# Altium PCB EEGV3.0.PcbDoc (part 1 of 2) (continued)
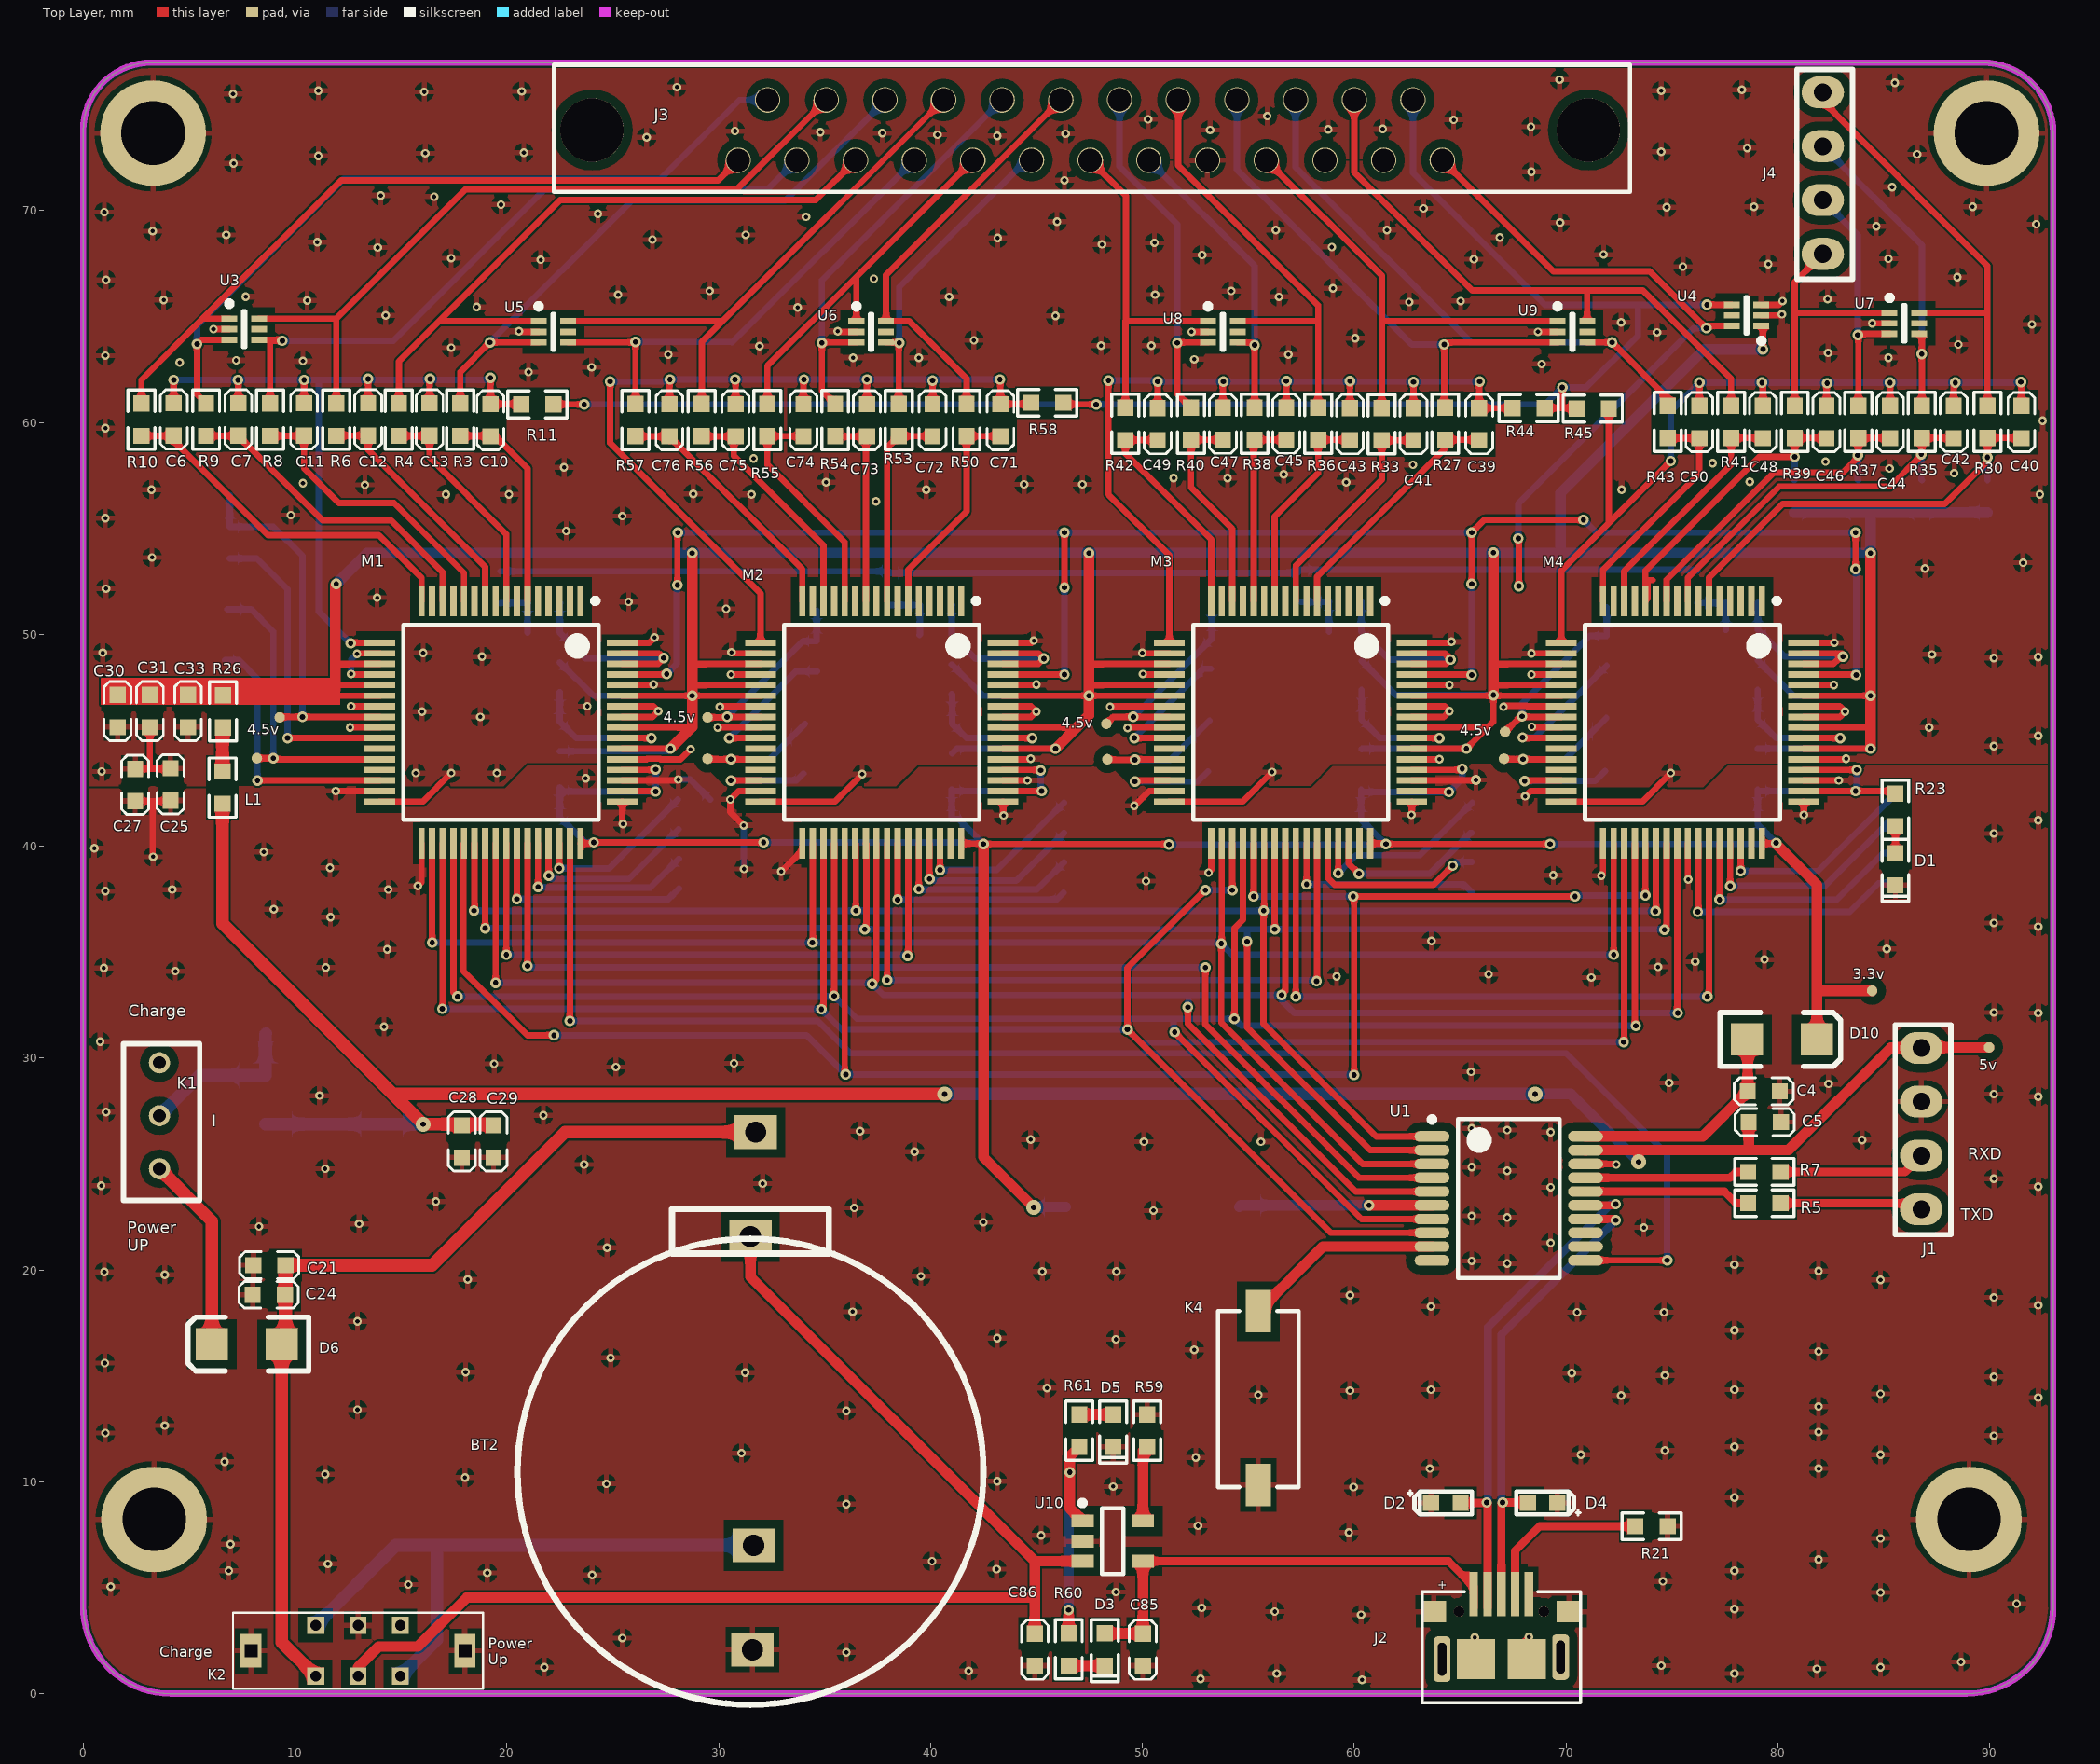
[diagram p0: Top Layer view]
## Components (designator, comment, footprint, x,y, rotation, side; value= is the part's Value field where it differs from the comment) (continued)
C72 "102K10V" C0603 40.1,59.338 r90 top
C73 "102K10V" C0603 37,59.338 r90 top
C74 "102K10V" C0603 34,59.338 r90 top
C75 "102K10V" C0603 30.8,59.338 r90 top
C76 "102K10V" C0603 27.675,59.338 r90 top
C77 "105K16V" C0603 34.65,48.25 r0 bottom
C78 "100Uf" C1210 34.077,45.775 r0 bottom
C79 "105K16V" C0603 34,43.425 r0 bottom
C80 "105K16V" C0603 41,47.175 r180 bottom
C81 "104K50V" C0603 39.5,45.775 r0 bottom
C82 "105K16V" C0603 41,48.575 r180 bottom
C83 "106K50V" C0603 34.625,51.125 r0 bottom
C84 "104K50V" C0603 34.626,49.675 r0 bottom
C85 "475K16V" C0603 50.025,2.834 r270 top
C86 "106K50V" C0603 44.925,2.834 r270 top
D1 "LED0603G" D-LED0603G 85.551,39.675 r270 top
D2 "ESDA_TR1/0603" HS_0603D 64.325,9 r0 top
D3 "LED0603G" D-LED0603G 48.225,2.85 r270 top
D4 "ESDA_TR1/0603" HS_0603D 68.899,9.001 r180 top
D5 "LED0603G" D-LED0603G 48.625,13.174 r270 top
D6 "500mA/13.2V" D1206 9.375,16.5 r180 top
D10 "500mA/13.2V" D1206 78.55,30.875 r0 top
J1 "J-D2.45-1*4" D2.54-1*4P 86.775,22.86 r90 top
J2 "USB-MINI-SOCKET" "MICRO-USB - 5.9" 65.65,4.7 r0 top
J3 "C-DSUB-25" C-DSUB-25 24.02,73.795 r0 top
J4 "J-D2.54" D2.54-1*4P 82.125,67.955 r90 top
K1 "SS-12D00" SS-12D00 3.6,29.775 r270 top
K2 "SK-22D02" SK-22D02 12.975,0.825 r0 top
K3 "3*6*5" S-K3*6 46.375,22.975 r270 bottom
K4 "3*6*5" S-K3*6 55.475,18.05 r0 top
L1 "L-0603-3.3uH" L0603 6.575,42.001 r90 top
M1 "ADS1299" ADS1299-TSQFP50P1200X1200X105-64N 19.725,45.85 r270 top
M2 "ADS1299" ADS1299-TSQFP50P1200X1200X105-64N 37.7,45.85 r270 top
M3 "ADS1299" ADS1299-TSQFP50P1200X1200X105-64N 57,45.85 r270 top
M4 "ADS1299" ADS1299-TSQFP50P1200X1200X105-64N 75.5,45.85 r270 top
R1 "1MF" R0603 77.538,50.2 r0 bottom
R2 "1MF" R0603 58.812,50.125 r0 bottom
R3 "2.2KF" R0603 17.8,60.887 r270 top
R4 "2.2KF" R0603 14.9,60.887 r270 top
R5 "22RF" R0603 80.124,23.15 r180 top
R6 "2.2KF" R0603 11.95,60.887 r270 top
R7 "22RF" R0603 80.124,24.625 r180 top
R8 "2.2KF" R0603 8.825,60.887 r270 top
R9 "2.2KF" R0603 5.8,60.887 r270 top
R10 "2.2KF" R0603 2.75,60.887 r270 top
R11 "2.2KF" R0603 22.199,60.85 r180 top
R12 "2.2KF" R0603 76.2,53 r270 bottom
R13 "2.2KF" R0603 57.475,53.05 r270 bottom
R14 "2.2KF" R0603 19.7,52.975 r270 bottom
R15 "1MF" R0603 21,51.475 r0 bottom
R16 "10KF" R0603 28.075,42.2 r0 bottom
R17 "10KF" R0603 28.1,40.8 r0 bottom
R18 "10KF" R0603 28.125,39.4 r0 bottom
R19 "10KF" R0603 28.125,38 r0 bottom
R20 "10KF" R0603 65.551,40.625 r0 bottom
R21 "0R" R0603 74.799,7.9 r180 top
R23 "3KF" R0603 85.551,42.475 r270 top
R24 "10KF" R0603 85.551,42.475 r0 bottom
R25 "10KF" R0603 65.576,42.05 r0 bottom
R26 "1RJ" R0603 6.604,47.125 r270 top
R27 "2.2KF" R0603 64.3,60.699 r270 top
R28 "10KF" R0603 85.551,41.075 r0 bottom
R29 "10KF" R0603 65.55,39.25 r0 bottom
R30 "2.2KF" R0603 89.9,60.788 r270 top
R31 "10KF" R0603 85.551,39.675 r0 bottom
R32 "10KF" R0603 65.55,37.825 r0 bottom
R33 "2.2KF" R0603 61.3,60.675 r270 top
R34 "10KF" R0603 85.551,38.25 r0 bottom
R35 "2.2KF" R0603 86.8,60.788 r270 top
R36 "2.2KF" R0603 58.3,60.699 r270 top
R37 "2.2KF" R0603 83.8,60.788 r270 top
R38 "2.2KF" R0603 55.3,60.699 r270 top
R39 "2.2KF" R0603 80.8,60.788 r270 top
R40 "2.2KF" R0603 52.3,60.699 r270 top
R41 "2.2KF" R0603 77.8,60.788 r270 top
R42 "2.2KF" R0603 49.2,60.688 r270 top
R43 "2.2KF" R0603 74.8,60.788 r270 top
R44 "2.2KF" R0603 69,60.675 r180 top
R45 "2.2KF" R0603 70.5,60.65 r0 top
R46 "1MF" R0603 39.5,51.375 r0 bottom
R47 "2.2KF" R0603 38.1,52.899 r270 bottom
R48 "10KF" R0603 46.3,42.05 r0 bottom
R49 "10KF" R0603 46.3,40.625 r0 bottom
R50 "2.2KF" R0603 41.7,60.875 r270 top
R51 "10KF" R0603 46.3,39.225 r0 bottom
R52 "10KF" R0603 46.275,37.8 r0 bottom
R53 "2.2KF" R0603 38.5,60.875 r270 top
R54 "2.2KF" R0603 35.5,60.875 r270 top
R55 "2.2KF" R0603 32.3,60.875 r270 top
R56 "2.2KF" R0603 29.2,60.875 r270 top
R57 "2.2KF" R0603 26.075,60.875 r270 top
R58 "2.2KF" R0603 46.275,60.925 r180 top
R59 "R0603-15KF" R0603 50.225,13.174 r270 top
R60 "470RF" R0603 46.525,1.323 r90 top
R61 "470RF" R0603 47.025,13.174 r270 top
R62 "0R" R0603 80.775,57.275 r270 bottom
R63 "0R" R0603 83.8,57.275 r270 bottom
R64 "0R" R0603 86.8,57.275 r270 bottom
R65 "0R" R0603 89.9,57.275 r270 bottom
U1 "CH559T" SSOP-20 67.3,23.375 r0 top
U2 "AMS1117_5V" SOT-223 8.6,26.875 r90 bottom
U3 "TPD4E1B06" U-ESD-DRL-SOTFL50P160X60-6N 7.6,64.4 r0 top
U4 "TPD4E1B06" U-ESD-DRL-SOTFL50P160X60-6N 78.525,65.05 r180 top
U5 "TPD4E1B06" U-ESD-DRL-SOTFL50P160X60-6N 22.2,64.275 r0 top
U6 "TPD4E1B06" U-ESD-DRL-SOTFL50P160X60-6N 37.2,64.275 r0 top
U7 "TPD4E1B06" U-ESD-DRL-SOTFL50P160X60-6N 85.975,64.675 r0 top
U8 "TPD4E1B06" U-ESD-DRL-SOTFL50P160X60-6N 53.8,64.275 r0 top
U9 "TPD4E1B06" U-ESD-DRL-SOTFL50P160X60-6N 70.3,64.275 r0 top
U10 "MCP73831" SOT23-5N 48.6,7.2 r0 top

## Footprints (in the part's own frame and the unit in brackets; to place one, negate y for a bottom-side part, rotate by r counter-clockwise, add the part's x,y. Pads: shape width x height; smd on the part's side, far side on the other; paste and mask are expansions set on the pad)
ADS1299-TSQFP50P1200X1200X105-64N [mm] "TSQFP, 64-Leads, Body 10.00x10.00mm, Pitch 0.50mm, IPC Medium Density"
  rect 1.45x0.3 smd: 1(-5.725,3.75) 2(-5.725,3.25) 3(-5.725,2.75) 4(-5.725,2.25) 5(-5.725,1.75) 6(-5.725,1.25) 7(-5.725,0.75) 8(-5.725,0.25) 9(-5.725,-0.25) 10(-5.725,-0.75) 11(-5.725,-1.25) 12(-5.725,-1.75) 13(-5.725,-2.25) 14(-5.725,-2.75) 15(-5.725,-3.25) 16(-5.725,-3.75) 33(5.725,-3.75) 34(5.725,-3.25) 35(5.725,-2.75) 36(5.725,-2.25) 37(5.725,-1.75) 38(5.725,-1.25) 39(5.725,-0.75) 40(5.725,-0.25) 41(5.725,0.25) 42(5.725,0.75) 43(5.725,1.25) 44(5.725,1.75) 45(5.725,2.25) 46(5.725,2.75) 47(5.725,3.25) 48(5.725,3.75)
  rect 0.3x1.45 smd: 17(-3.75,-5.725) 18(-3.25,-5.725) 19(-2.75,-5.725) 20(-2.25,-5.725) 21(-1.75,-5.725) 22(-1.25,-5.725) 23(-0.75,-5.725) 24(-0.25,-5.725) 25(0.25,-5.725) 26(0.75,-5.725) 27(1.25,-5.725) 28(1.75,-5.725) 29(2.25,-5.725) 30(2.75,-5.725) 31(3.25,-5.725) 32(3.75,-5.725) 49(3.75,5.725) 50(3.25,5.725) 51(2.75,5.725) 52(2.25,5.725) 53(1.75,5.725) 54(1.25,5.725) 55(0.75,5.725) 56(0.25,5.725) 57(-0.25,5.725) 58(-0.75,5.725) 59(-1.25,5.725) 60(-1.75,5.725) 61(-2.25,5.725) 62(-2.75,5.725) 63(-3.25,5.725) 64(-3.75,5.725)
  silkscreen extent -5.85,-4.6 4.6,4.6, body extent -5,-5 5,5, height 1.05
C0603 [mil]
  rect 30x30 smd: 1(0,0) 2(60,0)
  silkscreen extent -25,-25 85,25, body extent -1,-15 61,16, height 12
C1210 [mil]
  rect 50x100 smd: 1(0,0) 2(120,0)
  silkscreen extent -35,-60 155,60, body extent -3,-48 123,50, height 98
C-DSUB-25 [mm] "C-DSUB-25"
  round 3 hole 3: 0(0,0) 0(47.04,0)
  round 1.2 hole 1.1: 1(6.9,-1.42) 2(9.67,-1.42) 3(12.44,-1.42) 4(15.21,-1.42) 5(17.98,-1.42) 6(20.75,-1.42) 7(23.52,-1.42) 8(26.29,-1.42) 9(29.06,-1.42) 10(31.83,-1.42) 11(34.6,-1.42) 12(37.37,-1.42) 13(40.14,-1.42) 14(8.285,1.42) 15(11.055,1.42) 16(13.825,1.42) 17(16.595,1.42) 18(19.365,1.42) 19(22.135,1.42) 20(24.905,1.42) 21(27.675,1.42) 22(30.445,1.42) 23(33.215,1.42) 24(35.985,1.42) 25(38.755,1.42)
  silkscreen extent -1.8,-2.92 49,3.08
D2.54-1*4P [mm] "Bluetooth"
  oval 1.5x2 hole 0.838: 1(0,0) 2(2.54,0) 3(5.08,0) 4(7.62,0)
  silkscreen extent -1.2,-1.4 8.7,1.23, body extent -1.1,-1.4 8.7,1.23, height 10
D1206 [mil]
  rect 60x60 smd: 1(0,0) 2(130,0)
  silkscreen extent -50,-50 174,50, body extent -22,-40 151,40, height 47
D-LED0603G [mil]
  rect 30x30 smd: 1(0,0) 2(60,0)
  silkscreen extent -25,-25 90,25, body extent -2,-16 62,15, height 24
HS_0603D [mil]
  rect 30x30 smd: 1(-27.5,0) 2(27.5,0)
  silkscreen extent -70,-21 49,23
L0603 [mil]
  rect 30x30 smd: 1(0,0) 2(60,0)
  silkscreen extent -25,-25 85,25, body extent -1,-15 61,17, height 24
LIR2032 [mm] "LIR2032 -- 2 Pin"
  rect 2x1.6 hole 1: 1(0,0) 2(-0.1,19.5)
  silkscreen extent -11,-1.3 11,22.1
"MICRO-USB - 5.9" [mm]
  rrect50% 0.8x2.15 hole 0.4 slot 1.55 at 90 deg: 0(-1.5,-3.075) 0(4.1,-2.975)
  rect 0.4x2.1 smd: 1(0,0) 2(0.65,0) 3(1.3,0) 4(1.95,0) 5(2.6,0)
  rect 1.2x1 smd: 6(-1.9,-0.825) 7(4.5,-0.825)
  rect 1.8x1.9 smd: 8(0.106,-3.075) 9(2.493,-3.075)
  round 0.5 hole 0.5 unplated: ""(-0.7,-0.825) ""(3.3,-0.825)
  silkscreen extent -2.45,-5.13 5.05,0.12
R0603 [mil]
  rect 30x30 smd: 1(0,0) 2(60,0)
  silkscreen extent -25,-25 85,25, body extent 0,-16 62,15, height 18
S-K3*6 [mm]
  rect 1.2x2 smd: 1(0,0) 2(0,-8.2)
  silkscreen extent -1.9,-8.3 1.9,0
SK-22D02 [mm] "2档6脚"
  rect 0.8x0.8 hole 0.5: 1(-2,0) 2(0,0) 3(2,0) 4(2,2.4) 5(0,2.4) 6(-2,2.4)
  rect 1x1.6 hole 0.6 square: 7(-5.05,1.2) 8(5.05,1.2)
  silkscreen extent -5.9,-0.6 5.9,3
SOT23-5N [mm] "SOT23, 5-Leads, Body 2.90x2.70mm, Pitch 0.95mm, IPC Medium Density"
  rect 1.05x0.6 smd: 1(-1.425,0.95) 2(-1.425,0) 3(-1.425,-0.95) 4(1.425,-0.95) 5(1.425,0.95)
  silkscreen extent -1.55,-1.55 0.5,1.92, body extent -0.9,-1.55 0.9,1.55, height 1.45
SOT-223 [mm]
  rect 1.2x2.5 smd: 1(-2.3,0) 2(0,0) 3(2.3,0)
  rect 3.5x2 smd: 2(0,5.5)
  silkscreen extent -3.25,0.94 3.25,4.5
SS-12D00 [mm] "SS-12D00(1P2T) 立式 柄高5MM"
  round 1 hole 0.6: 1(0,0) 2(2.5,0) 3(5,0)
  silkscreen extent -0.9,-1.7 6.5,1.9
SSOP-20 [mm] "CH559T"
  oval 1.65x0.5 smd: 1(-3.625,2.925) 2(-3.625,2.275) 3(-3.625,1.625) 4(-3.625,0.975) 5(-3.625,0.325) 6(-3.625,-0.325) 7(-3.625,-0.975) 8(-3.625,-1.625) 9(-3.625,-2.275) 10(-3.625,-2.925) 11(3.625,-2.925) 12(3.625,-2.275) 13(3.625,-1.625) 14(3.625,-0.975) 15(3.625,-0.325) 16(3.625,0.325) 17(3.625,0.975) 18(3.625,1.625) 19(3.625,2.275) 20(3.625,2.925)
  silkscreen extent -3.75,-3.75 2.4,3.85, body extent -2.8,-3.75 2.8,3.75, height 2
U-ESD-DRL-SOTFL50P160X60-6N [mm] "SOTFL, 6-Leads, Body 1.60x1.60mm, Pitch 0.50mm, IPC Medium Density"
  rect 0.75x0.3 smd: 1(-0.7,0.5) 2(-0.7,0) 3(-0.7,-0.5) 4(0.7,-0.5) 5(0.7,0) 6(0.7,0.5)
  silkscreen extent -0.82,-0.85 0.05,1.32, body extent -0.65,-0.85 0.65,0.85, height 0.6

## Part data
BT1 BT2: library part Li-batttery, "纽扣电池LIR2023"
C1 C3 C14 C16 C17 C23 C25 C27 C30 C32 C34 C37 C38 C51 C53 C54 C56 C58 C59 C61 C62 C68 C70 C77 C79 C80 C82: library part C0603X7R-105K16V, "贴片电容-陶瓷"
C2 C5 C18 C21 C22 C26 C29 C31 C35 C36 C55 C60 C65 C66 C69 C81 C84: library part C0603X7R-104K50V, "贴片电容-陶瓷"
C4: library part C0603X7R-335J10V, "贴片电容-陶瓷"
C6 C7 C8 C9 C10 C11 C12 C13 C20 C39 C40 C41 C42 C43 C44 C45 C46 C47 C48 C49 C50 C67 C71 C72 C73 C74 C75 C76: library part C0603X7R-102K10V, "贴片电容-陶瓷"
C15 C52 C57 C78: library part "C1210钽电容 --100UF--B3528", "C1210-100UF"
C19 C24 C28 C33 C63 C64 C83 C86: library part C0603X7R-106K50V, "贴片电容-陶瓷"
C85: library part C0603X7R-475K16V, "贴片电容-陶瓷"
D1 D3 D5: library part DLED-0603-G, "贴片二极管-LED"
D2 D4: library part "D Zener", "Zener Diode"
D6 D10: library part 1206MSD, "500mA/13.2V 自恢复保险丝"
J1: library part J-D2.54-1*4单排排母
J2: library part J-USB-MINI-SOCKET, "USB-A卧式插座"
J3: "C-DSUB-0064"
J4: library part J-D2.54-1*4-单排, "单排排针"
K1: library part "SS-12D00(1P2T) 立式 柄高5MM"
K2: "波动开关-2档6脚"
K3 K4: "贴片-卧式轻触开关"
L1: "贴片电感-屏蔽"
M1 M2 M3 M4: "ADS1299-S-PQFP-64"
R1 R2 R15 R46: library part R0603-1MF, "贴片电阻-通用"
R3 R4 R6 R8 R9 R10 R11 R12 R13 R14 R27 R30 R33 R35 R36 R37 R38 R39 R40 R41 R42 R43 R44 R45 R47 R50 R53 R54 R55 R56 R57 R58: library part R0603-2.2KF, "贴片电阻-通用"
R5 R7: library part R0603-22RF, "贴片电阻-通用"
R16 R17 R18 R19 R20 R24 R25 R28 R29 R31 R32 R34 R48 R49 R51 R52: library part R0603-10KF, "贴片电阻-通用"
R21 R62 R63 R64 R65: library part R0603-0R, "贴片电阻-通用"
R23: library part R0603-3KF, "贴片电阻-通用"
R26: library part R0603-1RJ, "贴片电阻-通用"
R59: "贴片电容-通用"
R60 R61: library part R0603-470RF, "贴片电阻-通用"
U1: "CH559T-20pin"
U2: library part AMS1117-5V
U3 U4 U5 U6 U7 U8 U9: library part U-TPD4E1B06, "ESD-防静电干扰"
U10: "charge IC"

## Free pads (board coordinates)
  round 5 hole 3: 0(3.3,73.65) 0(3.35,8.225) 0(89.025,8.225) 0(89.85,73.65)
  round 0.5 smd: 2(89.975,30.5) 3.3V(84.45,33.175) "4.5 V"(9.275,46.075) "4.5 V"(48.3,45.775) 4.5V(29.475,46.075) 4.5V(67.125,45.4) >1.1V(8.2,44.15) >1.1V(29.475,44.125) >1.1V(48.35,44.1) >1.1V(67.075,44.125)

## Via types
v1: diameter 0.406, hole 0.203, Top Layer to Bottom Layer, tented both sides, 401 vias
v2: diameter 0.5, hole 0.254, Top Layer to Bottom Layer, tented both sides, 186 vias
v3: diameter 0.7, hole 0.254, Top Layer to Bottom Layer, tented both sides, 5 vias
v4: diameter 0.5, hole 0.203, Top Layer to Bottom Layer, tented both sides, 1 vias

## Nets (pads, with @x,y where several pads share a name; then routed paths per layer and width w, separated by ;. In a path a pad name is that pad's centre, name@x,y a point inside that pad or via, vN(x,y) a via of type N, cw(c..) or ccw(c..) an arc to the next point about the centre after c; other vN are vias at no path point)
+5V: C5.1 C28.2 C29.1 J1.4 L1.1 pad.2 U1.19 U2.2 | length 112.9
  Top Layer w0.5: U1.19@70.925,25.65 70.925,25.656 73.425,25.656 ; v3(73.425,25.1) 73.425,25.656 ; C5.1@78.626,26.975 78.626,25.657 78.625,25.656 ; pad.2@89.975,30.5 86.795,30.5 J1.4@86.775,30.48 85.33,30.48 80.506,25.656 78.625,25.656 ; 73.425,25.656 78.625,25.656
  Top Layer w0.6: L1.1@6.575,42.001 6.575,36.35 14.625,28.3 ; C29.1@19.375,26.824 19.324,26.875 v3(16.05,26.875) 14.625,28.3 ; v3(40.675,28.3) 14.625,28.3
  Bottom Layer w0.5: v3(68.55,28.3) 70.225,28.3 v3(73.425,25.1)
  Bottom Layer w0.6: U2.2@8.6,26.875 U2.2@14.1,26.875 v3(16.05,26.875) ; v3(40.675,28.3) v3(68.55,28.3)
/CS: M1.39 M2.39 M3.39 M4.39 U1.2 | length 87.7
  Top Layer w0.3: v2(18.975,36.125) M1.39@18.975,40.125 ; v2(36.9,36.075) 36.975,36.15 36.975,40.1 M2.39@36.95,40.125 ; v2(54.95,35.5) 54.95,31.45 60.75,25.65 U1.2@63.675,25.65 ; v2(56.25,36.075) M3.39@56.25,40.125 ; v2(74.65,36.05) 74.75,36.15 M4.39@74.75,40.125
  Bottom Layer w0.3: v2(18.975,36.125) 36.85,36.125 v2(36.9,36.075) 54.95,36.075 ; v2(54.95,35.5) 54.95,36.075 ; v2(74.65,36.05) 74.625,36.025 74.575,36.075 v2(56.25,36.075) 54.95,36.075
/DRDY: M1.47 U1.11 | length 71.6
  Top Layer w0.3: v2(22.975,31.75) M1.47@22.975,40.125 ; U1.11@70.925,20.45 v2(74.775,20.45)
  Bottom Layer w0.3: v2(22.975,31.75) 34.675,31.75 36.2,30.225 70,30.225 74.775,25.45 v2(74.775,20.45)
/PWDN: M1.35 M2.35 M3.35 M4.35 U1.8 | length 111.5
  Top Layer w0.3: v2(16.95,32.325) 16.975,32.35 M1.35@16.975,40.125 ; v2(34.85,32.3) 34.95,32.4 M2.35@34.95,40.125 ; v2(52.975,37.925) 49.3,34.25 v2(49.3,31.35) 58.9,21.75 U1.8@63.675,21.75 ; v2(54.25,37.925) M3.35@54.25,40.125 ; v2(72.725,30.75) 72.75,30.775 M4.35@72.75,40.125
  Bottom Layer w0.3: v2(16.95,32.325) 34.825,32.325 v2(34.85,32.3) 35.85,31.3 35.9,31.35 v2(49.3,31.35) 49.925,30.725 51.732,30.725 51.757,30.75 v2(72.725,30.75) ; v2(52.975,37.925) v2(54.25,37.925)
/RESET: M1.36 M2.36 M3.36 M4.36 U1.7 | length 104.2
  Top Layer w0.3: M1.36@17.475,40.125 17.475,33.1 v2(17.675,32.9) ; v2(35.45,32.925) M2.36@35.45,40.125 ; v2(51.525,31.225) 60.35,22.4 U1.7@63.675,22.4 ; v2(54.35,31.85) 54.35,36.125 54.75,36.525 M3.36@54.75,40.125 ; M4.36@73.25,40.125 73.25,31.575 v2(73.3,31.525)
  Bottom Layer w0.3: v2(17.675,32.9) 35.425,32.9 v2(35.45,32.925) 36.525,31.85 51.475,31.85 ; v2(51.525,31.225) 51.475,31.275 51.475,31.85 ; v2(73.3,31.525) 54.675,31.525 v2(54.35,31.85) 51.475,31.85
A2: J3.24 R41.1 U9.6 | length 28
  Top Layer w0.3: J3.24@60.005,75.215 60.005,71.795 65.575,66.225 71.075,66.225 ; U9.6@71,64.775 71,66.15 71.075,66.225 ; R41.1@77.8,60.788 77.8,62.05 73.625,66.225 71.075,66.225
AGND: C1.1 C14.2 C15.2 C16.2 C17.2 C18.1 C19.2 C22.2 C23.2 C25.2 C27.2 C30.2 C31.2 C32.1 C33.1 C34.1 C51.2 C52.2 C53.2 C54.2 C55.1 C56.2 C57.2 C58.2 C59.2 C60.1 C61.2 C62.2 C63.2 C64.2 C65.2 C66.2 C68.1 C77.2 C78.2 C79.2 C80.2 C81.1 C82.2 C83.2 C84.2 J3.9 M1.18 M1.20 M1.23 M1.25 M1.32 M1.53 M1.57 M1.58 M1.60 M1.64 M2.18 M2.20 M2.23 M2.25 M2.32 M2.53 M2.57 M2.58 M2.60 M2.64 M3.18 M3.20 M3.23 M3.25 M3.32 M3.53 M3.57 M3.58 M3.60 M3.64 M4.18 M4.20 M4.23 M4.25 M4.32 M4.53 M4.57 M4.58 M4.60 M4.64 pad.0@3.3,73.65 pad.0@89.85,73.65 U3.2 U4.2 U4.3 U5.2 U6.2 U7.2 U8.2 U9.2 | length 94.2
  Top Layer w0.3: C27.2@2.45,43.649 3.225,43.649 ; C31.2@3.15,45.614 3.15,43.724 3.225,43.649 ; C25.2@4.125,43.675 4.099,43.649 3.225,43.649 ; v1(6.15,64.4) U3.2@6.9,64.4 ; v1(12.6,45.6) M1.25@14,45.6 ; v1(12.65,46.6) M1.23@14,46.6 ; v1(12.65,48.125) 12.675,48.1 M1.20@14,48.1 ; v1(12.925,49.075) 12.95,49.1 M1.18@14,49.1 ; M1.32@14,42.1 16.025,42.1 v1(17.375,43.45) ; v1(20.575,64.3) 20.6,64.275 U5.2@21.5,64.275 ; M1.53@25.45,44.1 26.6,44.1 26.625,44.125 27.232,44.125 27.257,44.1 28.2,44.1 v1(28.675,44.575) ; M1.57@25.45,46.1 26.875,46.1 v1(27.15,46.375) 26.925,46.6 M1.58@25.45,46.6 ; M1.60@25.45,47.6 26.9,47.6 v1(26.925,47.625) ; M1.64@25.45,49.6 26.725,49.6 v1(26.975,49.85) ; v1(29.95,45.6) M2.25@31.975,45.6 ; v1(30.05,46.575) 30.075,46.6 M2.23@31.975,46.6 ; v1(30.575,48.1) M2.20@31.975,48.1 ; v1(30.6,49.15) 30.65,49.1 M2.18@31.975,49.1 ; M2.32@31.975,42.1 35.475,42.1 v1(36.775,43.4) ; v1(35.625,64.3) 35.65,64.275 U6.2@36.5,64.275 ; M2.53@43.425,44.1 44.7,44.1 v1(44.725,44.125) ; M2.57@43.425,46.1 44.75,46.1 v1(45,46.35) 44.75,46.6 M2.58@43.425,46.6 ; M2.60@43.425,47.6 44.975,47.6 v1(45,47.625) ; M2.64@43.425,49.6 44.775,49.6 v1(44.875,49.7) ; v1(48.475,46.575) 48.5,46.6 M3.23@51.275,46.6 ; v1(49.302,45.577) 49.325,45.6 M3.25@51.275,45.6 ; v1(50,49.125) 50.025,49.1 M3.18@51.275,49.1 ; v1(50.025,48.125) 50.05,48.1 M3.20@51.275,48.1 ; M3.32@51.275,42.1 54.725,42.1 v1(56.125,43.5) ; v1(52.325,64.275) U8.2@53.1,64.275 ; M3.53@62.725,44.1 v1(64.025,44.1) ; M3.57@62.725,46.1 64.225,46.1 v1(64.5,46.375) 64.275,46.6 M3.58@62.725,46.6 ; M3.60@62.725,47.6 v1(64.5,47.6) ; M3.64@62.725,49.6 64.55,49.6 v1(64.6,49.65) ; v1(67.05,46.575) 67.102,46.627 68.135,46.627 68.163,46.6 M4.23@69.775,46.6 ; v1(68.375,48.1) M4.20@69.775,48.1 ; v1(68.375,49.1) M4.18@69.775,49.1 ; v1(68.393,45.632) 68.388,45.627 68.415,45.6 M4.25@69.775,45.6 ; v1(68.675,64.275) U9.2@69.6,64.275 ; M4.32@69.775,42.1 73.6,42.1 v1(74.95,43.45) ; U4.2@79.225,65.05 80.15,65.05 v1(80.2,65.1) ; U4.3@79.225,65.55 80.05,65.55 v1(80.225,65.725) ; M4.53@81.225,44.1 83.2,44.1 v1(83.225,44.125) ; M4.57@81.225,46.1 82.925,46.1 v1(83.175,46.35) 82.925,46.6 M4.58@81.225,46.6 ; M4.60@81.225,47.6 v1(82.65,47.6) ; M4.64@81.225,49.6 v1(82.675,49.6) ; v1(84.45,64.675) U7.2@85.275,64.675
  Bottom Layer w0.3: v1(12.65,48.125) 12.65,48.8 v1(12.925,49.075)
  other v1: 15.7,43.45 19.525,43.45 0.875,43.525 90.2,44.725 92.3,45.2 87.15,45.6 18.75,46.1 16,46.35 23.8,46.6 90.2,48.875 92.3,48.925 18.825,48.95 87.275,49.05 16.05,49.125 0.927,49.127 30.35,51.2 25.75,51.525 13.875,51.725 1.075,52.15 86.95,53.1 91.575,53.375 3.25,53.625 22.8,54.875 1.05,55.475 25.45,55.575 9.8,55.625 37.425,56.275 17.125,56.6 20.1,56.6 31.55,56.6 92.375,56.6 28.8,56.625 3.225,56.825 39.8,56.825 72.625,56.825 13.3,57.05 44.425,57.075 47.175,57.075 10.375,57.125 35.075,57.175 59.625,57.175 78.675,57.2 51.475,57.375 54.025,57.375 56.675,57.55 88.325,57.6 85.275,57.825 22.7,57.875 62.775,58 76.925,58.075 82.25,58.15 31.65,58.3 1.05,59.725 92.5,60.075 21.025,62.375 24,62.6 68.85,62.75 4.55,62.825 10.375,62.9 7.225,62.925 52.45,62.975 36.35,63.05 39.45,63.05 85.225,63.05 1.05,63.15 27.625,63.2 56.9,63.2 82.375,63.275 17.375,63.525 31.925,63.6 48.05,63.625 50.425,63.625 88.525,63.675 42.05,63.875 60.05,63.975 74.3,64.25 92,64.625 72.6,64.725 45.9,65.025 14.275,65.05 33.725,65.425 18.575,65.45 62.6,65.675 65.025,65.725 10.575,65.75 3.8,65.775 82.35,65.825 7.673,65.927 40.875,65.925 56.45,65.925 25.25,66.025 50.6,66.025 29.575,66.2 54.2,66.2 59,66.325 1.075,66.725 37.325,66.775 88.475,66.85 75.525,67.35 79.55,67.475 21.6,67.675 65.65,67.7 85.225,67.725 17.375,67.75 52.825,67.9 71.775,67.925 13.9,68.25 58.95,68.275 48.1,68.4 50.575,68.475 11.05,68.5 26.875,68.625 43.175,68.7 66.875,68.725 6.75,68.85 31.275,68.85 3.275,69.025 56.3,69.075 61.55,69.075 84.65,69.25 92.2,69.35 69.725,69.425 45.975,69.475 34.125,69.7 24.3,69.85 1,69.925 63.275,70.1 74.75,70.15 78.875,70.175 89.2,70.175 19.725,70.275 16.575,70.65 14.05,70.7 85.4,71.1 46.325,71.425 68.375,71.825 7.1,72.225 11.1,72.575 86.575,72.65 16.15,72.7 20.8,72.725 74.5,72.775 78.55,72.95 26.6,73.45 43.15,73.525 40.325,73.575 46.375,73.625 37.725,73.65 34.8,73.7 30.775,73.75 53.2,73.8 58.775,73.825 61.35,73.85 68.35,73.95 64.7,74.275 50.275,74.3 55.9,74.45 7.075,75.5 16.1,75.6 20.7,75.625 11.1,75.65 74.5,75.65 78.3,75.7 28.025,75.825 85.525,76.025 69.7,76.175
AVCC: C1.2 C23.1 C30.1 C31.1 C32.2 C33.2 C34.2 C61.1 C62.1 C68.2 C82.1 M1.19 M1.21 M1.22 M1.54 M1.56 M1.59 M2.19 M2.21 M2.22 M2.54 M2.56 M2.59 M3.19 M3.21 M3.22 M3.54 M3.56 M3.59 M4.19 M4.21 M4.22 M4.54 M4.56 M4.59 R26.1 R62.2 R63.2 R64.2 R65.2 U4.1 | length 276.5
  Top Layer w0.3: R26.1@6.304,47.125 6.329,47.1 M1.22@14,47.1 ; 11.9,47.625 11.925,47.6 M1.21@14,47.6 ; 11.9,48.6 M1.19@14,48.6 ; M1.54@25.45,44.6 v2(27.725,44.6) v2@27.8,44.675 ; M1.56@25.45,45.6 28.725,45.6 28.75,45.625 ; M1.59@25.45,47.1 v2(28.75,47.1) M2.22@31.975,47.1 ; 28.75,47.6 M2.21@31.975,47.6 ; 28.75,48.6 M2.19@31.975,48.6 ; M2.54@43.425,44.6 v2(45.9,44.6) ; M2.56@43.425,45.6 46.9,45.6 ; M2.59@43.425,47.1 v2(47.475,47.1) M3.22@51.275,47.1 ; 47.475,47.6 M3.21@51.275,47.6 ; 47.475,48.6 M3.19@51.275,48.6 ; M3.54@62.725,44.6 v2(65.3,44.6) 66.287,45.587 ; M3.56@62.725,45.6 66.275,45.6 66.287,45.587 ; M3.59@62.725,47.1 66.55,47.1 v2@66.575,47.1 ; 66.575,47.6 M4.21@69.775,47.6 ; 66.575,48.6 M4.19@69.775,48.6 ; M4.22@69.775,47.1 v2@66.575,47.1 ; U4.1@79.225,64.55 79.3,64.475 v2(79.3,63.45) ; M4.54@81.225,44.6 v2(84.375,44.6) ; M4.56@81.225,45.6 84.25,45.6 ; M4.59@81.225,47.1 v2(84.375,47.1) ; 66.287,45.587 66.575,45.875 v2@66.575,47.1
  Top Layer w0.5: 11.9,47.375 11.9,47.625 11.9,48.6 11.9,52.325 v2(11.95,52.375) ; v2@27.8,44.675 28.725,45.6 ; 28.75,45.625 v2(28.75,47.1) 28.75,47.6 28.75,48.6 v2(28.75,53.825) ; v2(45.9,44.6) 46.9,45.6 47.475,46.175 v2(47.475,47.1) 47.475,47.6 47.475,48.6 v2(47.475,53.825) ; v2@66.55,47.1 v2(66.575,47.125) 66.575,47.6 66.575,48.6 v2(66.575,53.85) ; v2@84.375,44.725 v2(84.375,47.1) v2(84.375,53.825)
  Top Layer w0.6: C30.1@1.625,47.238 C30.1@1.638,47.225 ; C30.1@1.638,47.125 4.95,47.125 R26.1@6.304,47.125
  Bottom Layer w0.3: C1.2@22.5,44.475 27.6,44.475 v2(27.725,44.6) ; C23.1@22.5,48.675 24.075,47.1 v2(28.75,47.1) ; C82.1@41,48.575 42.475,47.1 v2(47.475,47.1) ; C68.2@41.024,44.375 41.249,44.6 41.274,44.575 41.299,44.6 v2(45.9,44.6) ; C32.2@60.349,44.575 60.374,44.6 v2(65.3,44.6) ; C61.1@60.349,48.75 61.974,47.125 v2(66.575,47.125) ; C34.2@79.049,44.6 v2@84.25,44.6 ; C62.1@79.049,48.775 80.724,47.1 v2@84.25,47.1
  Bottom Layer w0.5: v2(11.95,52.375) 13.4,53.825 v2(28.75,53.825) v2(47.475,53.825) v2(84.375,53.825) ; 69.75,53.85 69.75,56.675 76.525,63.45 v2(79.3,63.45) ; R62.2@80.775,55.751 R63.2@83.8,55.751 84.45,55.751 ; v2@84.375,53.85 84.375,55.676 84.45,55.751 ; R65.2@89.9,55.751 R64.2@86.8,55.751 84.45,55.751
BIAS: J3.13 R12.1 R13.1 R14.1 R47.1 U4.6 | length 90.6
  Top Layer w0.3: J3.13@64.16,72.375 69.41,67.125 73.95,67.125 v2(76.625,64.45) 76.725,64.55 U4.6@77.825,64.55 ; v2(67.75,54.525) 67.775,54.5 v2(67.775,52.275)
  Bottom Layer w0.3: R14.1@19.7,52.975 38.024,52.975 R47.1@38.1,52.899 57.324,52.899 R13.1@57.475,53.05 67.775,53.05 ; v2(67.75,54.525) 67.75,56.175 76.025,64.45 v2(76.625,64.45) ; v2(67.775,52.275) 67.775,53.05 ; R12.1@76.2,53 76.15,53.05 67.775,53.05
BIASINV: M1.61 M2.61 M3.61 M4.61 | length 93.2
  Top Layer w0.3: M1.61@25.45,48.1 27.55,48.1 v2(27.55,48.125) ; v2(28.05,52.325) 28.05,54.775 v2(28.075,54.8) ; M2.61@43.425,48.1 v2(46.325,48.1) ; v2(46.325,52.2) v2@46.325,54.775 ; M3.61@62.725,48.1 65.525,48.1 v2(65.55,48.075) ; v2(65.55,52.375) v2(65.55,54.8) 66.15,55.4 v2(70.825,55.4) ; M4.61@81.225,48.1 83.675,48.1 v2(83.7,48.075) ; v2(83.675,53.075) v2@83.675,54.55
  Bottom Layer w0.3: v2(27.55,48.125) 28.025,48.6 28.025,52.325 v2(28.05,52.325) ; v2(28.075,54.8) v2(46.325,54.8) v2(65.55,54.8) ; v2(46.325,48.1) v2(46.325,52.2) ; v2(65.55,48.075) v2(65.55,52.375) ; v2(70.825,55.4) 71.425,54.8 v2(83.675,54.8) ; v2(83.675,53.075) 83.7,53.05 v2(83.7,48.075)
BT1: BT1.1 C21.2 C24.1 D6.1 K2.1 | length 48.6
  Top Layer w0.6: D6.1@9.375,16.5 9.375,2.425 K2.1@10.975,0.825 ; D6.1@9.549,16.5 C21.2@9.549,20.225 ; D6.1@9.55,16.5 C21.2@9.549,20.225 16.475,20.225 22.75,26.5 BT1.1@31.75,26.5
BT2: BT2.1 C86.1 K2.2 U10.3 | length 60.3
  Top Layer w0.5: K2.2@12.975,0.825 12.975,1.25 13.95,2.225 15.8,2.225 18.117,4.542 44.925,4.542 ; BT2.1@31.5,21.575 31.5,19.675 44.925,6.25 ; C86.1@44.925,2.834 44.925,4.542 ; U10.3@47.175,6.25 44.925,6.25 ; 44.925,4.542 44.925,6.25
BT_G: BT1.2 K2.3 K2.6 | length 29.1
  Bottom Layer w0.6: K2.6@10.975,3.225 14.75,7 16.7,7 ; K2.3@14.975,0.825 16.7,2.55 16.7,7 ; BT1.2@31.65,7 16.7,7
C3: J3.3 R4.1 U5.1 | length 32.2
  Top Layer w0.3: R4.1@14.9,60.887 14.9,62.875 16.8,64.775 ; U5.1@21.5,64.775 16.8,64.775 ; J3.3@36.46,72.375 34.585,70.5 22.525,70.5 16.8,64.775
C4: J3.16 R3.1 U5.3 | length 29.2
  Top Layer w0.3: R3.1@17.8,60.887 17.8,62.375 v2(19.2,63.775) U5.3@21.5,63.775
  Bottom Layer w0.3: v2(19.2,63.775) 25.9,70.475 33.15,70.475 37.845,75.17 J3.16@37.845,75.215
CLK: M1.37 M2.37 M3.37 M4.37 | length 95.3
  Top Layer w0.3: M1.37@17.975,40.125 17.95,40.1 17.95,34.1 20.975,31.075 v2(22.225,31.075) ; M2.37@35.95,40.125 35.95,29.275 v2(36,29.225) ; v2(60,29.2) 60,37.575 v2(59.95,37.625) v2(70.425,37.625) ; v2(73.75,37.675) M4.37@73.75,40.125 ; v2@55.25,37.704 55.253,37.702 55.253,40.122 M3.37@55.25,40.125 v2@55.25,37.704
  Bottom Layer w0.3: v2(22.225,31.075) 34.15,31.075 v2(36,29.225) 59.975,29.225 v2(60,29.2) ; v2@55.253,37.702 55.253,37.672 55.3,37.625 v2(59.95,37.625) ; v2(70.425,37.625) 70.475,37.675 v2(73.75,37.675)
  other v2: 55.253,37.625
CZ: J3.22 R27.1 U9.3 | length 24.9
  Top Layer w0.3: R27.1@64.3,60.699 64.25,60.749 v2(64.25,63.675) 64.35,63.775 U9.3@69.6,63.775
  Bottom Layer w0.3: J3.22@54.465,75.215 54.465,71.935 62.725,63.675 v2(64.25,63.675)